# Altium PCB LimeSDR-X3_1v2.PcbDoc (part 20 of 25)
Units mm, origin at the board's own origin, x right, y up, seen from the top; angles counter-clockwise.
Board outline 232.5 x 111.15 mm, 12 copper layers (Top, L2, L3, L4, L5, L6, L7, L8, L9, L10, L11, Bottom), stack 1.596 mm thick; 2084 components, 1388 nets, 8919 pads, 3667 vias.
Unrouted connection lines stored in the file: 1.
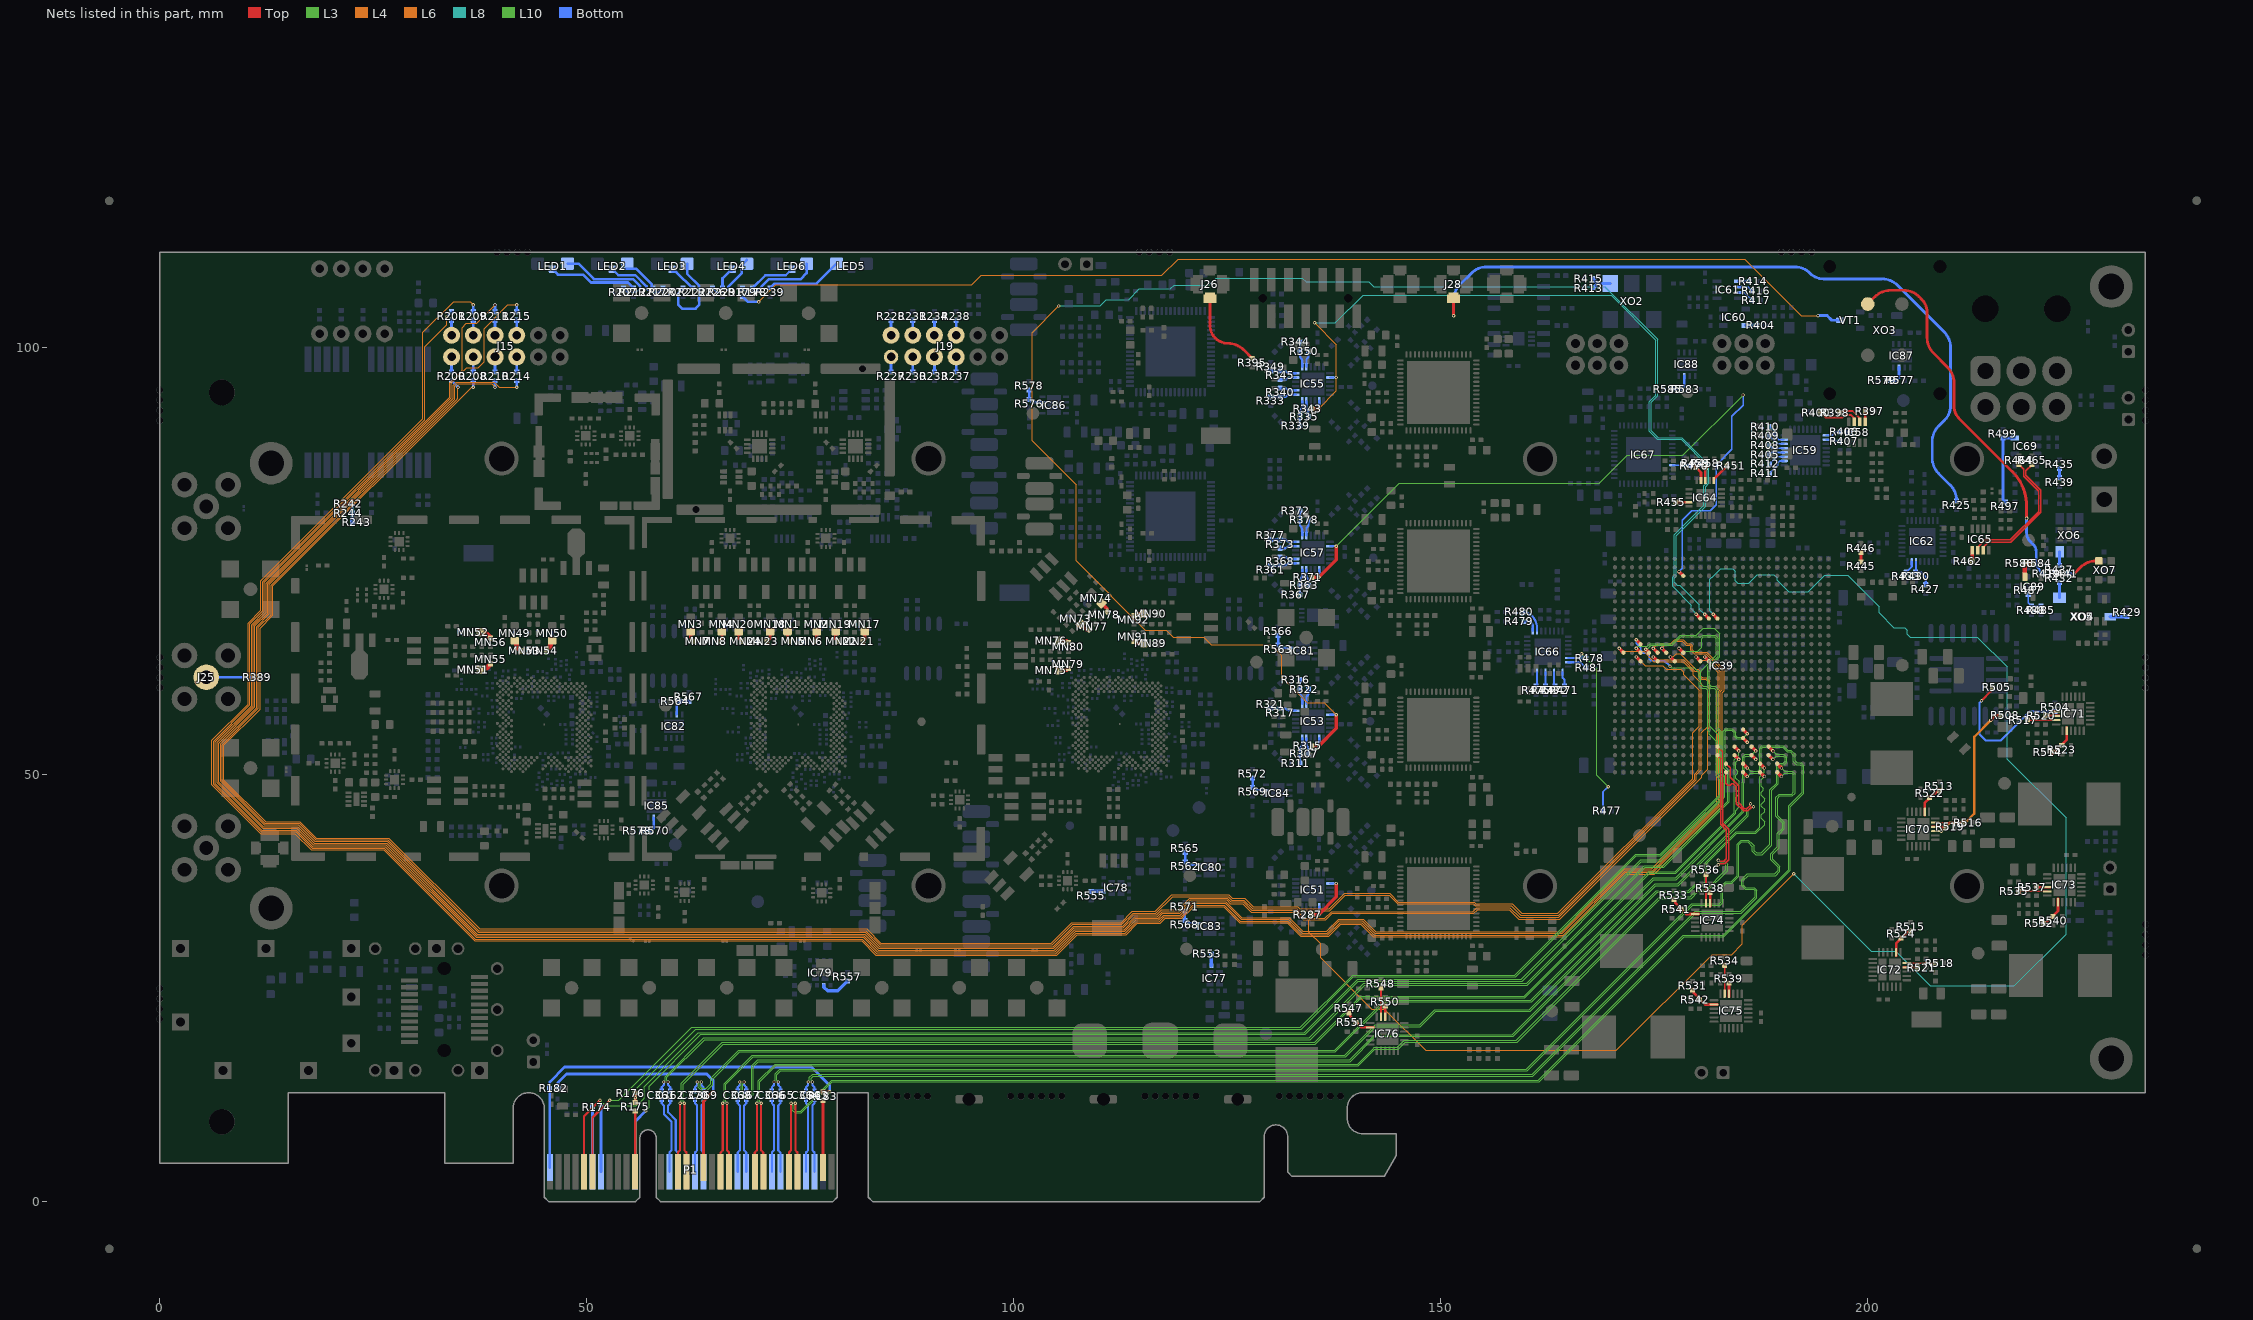
[diagram p30: the nets of this part, all layers, seen from the top]

## Via types
v1: diameter 0.4, hole 0.2, Top to Bottom, tented both sides, 3084 vias
v2: diameter 0.35, hole 0.2, Top to Bottom, tented both sides, 272 vias
v3: diameter 0.5, hole 0.2, Top to Bottom, tented bottom, 196 vias
v4: diameter 0.5, hole 0.2, Top to Bottom, tented both sides, 102 vias
v5: diameter 0.8, hole 0.4, Top to Bottom, tented both sides, 12 vias
v6: diameter 0.6, hole 0.3, Top to Bottom, tented both sides, 1 vias

## Nets (pads, with @x,y where several pads share a name; then routed paths per layer and width w, separated by ;. In a path a pad name is that pad's centre, name@x,y a point inside that pad or via, vN(x,y) a via of type N, cw(c..) or ccw(c..) an arc to the next point about the centre after c; other vN are vias at no path point) (continued)
NetIC53_6: IC53.6 R317.2 R321.1 | length 3
  Bottom w0.254: R321.1@130.075,57.75 R317.2@131.175,57.75 131.709,57.75 cw(c131.709,57.409) 131.95,57.65 ccw(c132.312,58.012) 132.312,57.5 IC53.6@133,57.5
NetIC53_7: IC53.7 R316.1 R322.2 | length 3
  Bottom w0.254: R322.2@133.5,60 R316.1@133.5,61.1 ; R322.2@133.5,60.075 133.5,59.552 ccw(c133.927,59.552) 133.625,59.25 cw(c133.323,58.948) 133.75,58.948 IC53.7@133.75,58.25
NetIC53_8: IC53.8 R322.1 | length 1.9
  Bottom w0.254: IC53.8@134.25,58.25 134.25,58.938 cw(c134.762,58.938) 134.4,59.3 ccw(c134.159,59.541) 134.5,59.541 R322.1@134.5,60.075
NetIC53_23: IC53.23 R307.1 | length 1.9
  Bottom w0.254: IC53.23@134.25,54.25 134.25,53.562 ccw(c134.762,53.562) 134.4,53.2 cw(c134.159,52.959) 134.5,52.959 R307.1@134.5,52.425
NetIC53_24: IC53.24 R307.2 R311.1 | length 3
  Bottom w0.254: R311.1@133.5,51.325 R307.2@133.5,52.425 133.5,52.948 cw(c133.927,52.948) 133.625,53.25 ccw(c133.323,53.552) 133.75,53.552 IC53.24@133.75,54.25
NetIC55_1: IC55.1 R333.1 R340.2 | length 3
  Bottom w0.254: R333.1@130.075,94.25 R340.2@131.175,94.25 131.709,94.25 ccw(c131.709,94.591) 131.95,94.35 cw(c132.312,93.988) 132.312,94.5 IC55.1@133,94.5
NetIC55_2: IC55.2 R340.1 | length 1.9
  Bottom w0.254: R340.1@131.175,95.25 131.698,95.25 cw(c131.698,94.823) 132,95.125 ccw(c132.302,95.427) 132.302,95 IC55.2@133,95
NetIC55_5: IC55.5 R345.1 | length 1.9
  Bottom w0.254: R345.1@131.175,96.25 131.698,96.25 ccw(c131.698,96.677) 132,96.375 cw(c132.302,96.073) 132.302,96.5 IC55.5@133,96.5
NetIC55_6: IC55.6 R345.2 R349.1 | length 3
  Bottom w0.254: R349.1@130.075,97.25 R345.2@131.175,97.25 131.709,97.25 cw(c131.709,96.909) 131.95,97.15 ccw(c132.312,97.512) 132.312,97 IC55.6@133,97
NetIC55_7: IC55.7 R344.1 R350.2 | length 3
  Bottom w0.254: R344.1@133.5,100.675 R350.2@133.5,99.575 133.5,99.052 ccw(c133.927,99.052) 133.625,98.75 cw(c133.323,98.448) 133.75,98.448 IC55.7@133.75,97.75
NetIC55_8: IC55.8 R350.1 | length 1.9
  Bottom w0.254: IC55.8@134.25,97.75 134.25,98.438 cw(c134.762,98.438) 134.4,98.8 ccw(c134.159,99.041) 134.5,99.041 R350.1@134.5,99.575
NetIC55_23: IC55.23 R335.1 | length 1.9
  Bottom w0.254: IC55.23@134.25,93.75 134.25,93.062 ccw(c134.762,93.062) 134.4,92.7 cw(c134.159,92.459) 134.5,92.459 R335.1@134.5,91.925
NetIC55_24: IC55.24 R335.2 R339.1 | length 3
  Bottom w0.254: R339.1@133.5,90.825 R335.2@133.5,91.925 133.5,92.448 cw(c133.927,92.448) 133.625,92.75 ccw(c133.323,93.052) 133.75,93.052 IC55.24@133.75,93.75
NetIC57_1: IC57.1 R361.1 R368.2 | length 3
  Bottom w0.254: R361.1@130.075,74.5 R368.2@131.175,74.5 131.709,74.5 ccw(c131.709,74.841) 131.95,74.6 cw(c132.312,74.238) 132.312,74.75 IC57.1@133,74.75
NetIC57_2: IC57.2 R368.1 | length 1.9
  Bottom w0.254: R368.1@131.175,75.5 131.698,75.5 cw(c131.698,75.073) 132,75.375 ccw(c132.302,75.677) 132.302,75.25 IC57.2@133,75.25
NetIC57_5: IC57.5 R373.1 | length 1.9
  Bottom w0.254: R373.1@131.175,76.5 131.698,76.5 ccw(c131.698,76.927) 132,76.625 cw(c132.302,76.323) 132.302,76.75 IC57.5@133,76.75
NetIC57_6: IC57.6 R373.2 R377.1 | length 3
  Bottom w0.254: R377.1@130.075,77.5 R373.2@131.175,77.5 131.709,77.5 cw(c131.709,77.159) 131.95,77.4 ccw(c132.312,77.762) 132.312,77.25 IC57.6@133,77.25
NetIC57_7: IC57.7 R372.1 R378.2 | length 3
  Bottom w0.254: R372.1@133.5,80.925 R378.2@133.5,79.825 133.5,79.302 ccw(c133.927,79.302) 133.625,79 cw(c133.323,78.698) 133.75,78.698 IC57.7@133.75,78
NetIC57_8: IC57.8 R378.1 | length 1.9
  Bottom w0.254: IC57.8@134.25,78 134.25,78.688 cw(c134.762,78.688) 134.4,79.05 ccw(c134.159,79.291) 134.5,79.291 R378.1@134.5,79.825
NetIC57_23: IC57.23 R363.1 | length 1.9
  Bottom w0.254: IC57.23@134.25,74 134.25,73.312 ccw(c134.762,73.312) 134.4,72.95 cw(c134.159,72.709) 134.5,72.709 R363.1@134.5,72.175
NetIC57_24: IC57.24 R363.2 R367.1 | length 3
  Bottom w0.254: R367.1@133.5,71.075 R363.2@133.5,72.175 133.5,72.698 cw(c133.927,72.698) 133.625,73 ccw(c133.323,73.302) 133.75,73.302 IC57.24@133.75,74
NetIC58_5: IC58.5 R397.1 | length 1.2
  Top w0.3: IC58.5@199.7,91.339 R397.1@199.7,92.568
NetIC58_6: IC58.6 R398.1 | length 3.2
  Top w0.2: R398.1@196.7,92.375 196.9,92.575 198.2,92.575 199.05,91.725 IC58.6@199.05,91.339
NetIC58_7: IC58.7 R400.1 | length 4.8
  Top w0.2: R400.1@194.45,92.375 195,91.825 197.05,91.825 197.325,92.1 198.025,92.1 198.378,91.747 198.378,91.361 IC58.7@198.4,91.339
NetIC59_10: IC59.10 R411.2 | length 2.5
  Bottom w0.2: R411.2@188.475,85.275 189.4,86.2 189.4,86.45 189.669,86.719 190.194,86.719 IC59.10@190.2,86.725
NetIC59_11: IC59.11 R412.1 | length 2.1
  Bottom w0.2: R412.1@188.475,86.375 189.325,87.225 IC59.11@190.2,87.225
NetIC59_12: IC59.12 R405.1 | length 1.8
  Bottom w0.2: R405.1@188.475,87.45 188.75,87.725 IC59.12@190.2,87.725
NetIC59_13: IC59.13 R408.1 | length 1.9
  Bottom w0.2: R408.1@188.475,88.55 188.8,88.225 IC59.13@190.2,88.225
NetIC59_14: IC59.14 R409.1 | length 2.1
  Bottom w0.2: R409.1@188.475,89.65 189.4,88.725 IC59.14@190.2,88.725
NetIC59_15: IC59.15 R410.2 | length 2.6
  Bottom w0.2: R410.2@188.475,90.75 189.05,90.175 189.05,89.75 189.575,89.225 IC59.15@190.2,89.225
NetIC59_25: IC59.25 R406.1 | length 1.8
  Bottom w0.2: IC59.25@195.1,89.725 195.8,89.725 196.2,90.125 R406.1@196.75,90.125
NetIC59_26: IC59.26 R407.1 | length 1.7
  Bottom w0.2: IC59.26@195.1,89.225 196,89.225 196.2,89.025 R407.1@196.75,89.025
NetIC60_5: IC60.5 R404.2 | length 1.3
  Bottom w0.4: IC60.5@185.666,102.6 R404.2@186.975,102.6
NetIC61_5: IC61.5 R414.1 | length 1.2
  Bottom w0.3: IC61.5@184.825,107.75 R414.1@186.054,107.75
NetIC61_6: IC61.6 R416.1 | length 1.8
  Bottom w0.2: IC61.6@184.825,107.1 185.975,107.1 R416.1@186.425,106.65
NetIC61_7: IC61.7 R417.1 | length 2
  Bottom w0.2: IC61.7@184.825,106.45 185.525,106.45 R417.1@186.425,105.55
NetIC62_30: IC62.30 R427.2 R430.1 | length 3.6
  Bottom w0.25: IC62.30@205.625,74.95 205.625,73.75 R430.1@205.575,73.7 206.225,73.7 206.775,73.15 R427.2@206.775,72.225
NetIC62_31: IC62.31 R433.2 | length 1.5
  Bottom w0.25: R433.2@204.475,73.7 205.125,74.35 IC62.31@205.125,74.95
NetIC64_11: IC64.11 R451.1 | length 2.3
  Top w0.3: IC64.11@181.95,84.45 181.95,84.604 R451.1@183.486,86.14
NetIC64_13: IC64.13 R458.2 | length 1.5
  Top w0.3: IC64.13@180.95,84.45 R458.2@180.95,85.95
NetIC64_14: IC64.14 R459.2 | length 1.7
  Top w0.3: R459.2@179.85,85.95 180.45,85.35 IC64.14@180.45,84.45
NetIC64_19: IC64.19 R455.1 | length 1.6
  Top w0.3: R455.1@177.486,81.915 177.501,81.9 IC64.19@179.05,81.9
NetIC65_5: IC65.5 R462.1 | length 1.3
  Top w0.4: R462.1@212.199,74.976 IC65.5@212.2,76.29
NetIC65_6: IC65.6 R464.1 | length 15.6
  Top w0.15: IC65.6@212.85,76.29 212.85,76.625 213.7,77.475 216.646,77.475 219.975,80.804 219.975,83.2 218.25,84.925 218.25,85.75 R464.1@217.7,86.3
NetIC65_7: IC65.7 R465.1 | length 15.4
  Top w0.15: IC65.7@213.5,76.29 213.5,76.625 214.1,77.225 216.75,77.225 220.225,80.7 220.225,83.304 218.5,85.029 218.5,85.585 R465.1@219.225,86.31
NetIC66_1: IC66.1 R471.2 | length 1.7
  Bottom w0.25: IC66.1@164.25,62 164.25,61.329 164.45,61.129 R471.2@164.45,60.376
NetIC66_3: IC66.3 R472.2 | length 1.7
  Bottom w0.25: IC66.3@163.25,62 163.25,60.476 R472.2@163.35,60.376
NetIC66_5: IC66.5 R473.2 | length 1.6
  Bottom w0.25: R473.2@162.25,60.376 IC66.5@162.25,62
NetIC66_7: IC66.7 R475.2 | length 1.7
  Bottom w0.25: R475.2@161.15,60.376 161.25,60.476 IC66.7@161.25,62
NetIC66_17: IC66.17 R479.2 | length 2
  Bottom w0.25: R479.2@159.689,67.943 160.224,67.943 cw(c160.224,67.417) 160.75,67.417 IC66.17@160.75,66.8
NetIC66_18: IC66.18 R480.2 | length 3
  Bottom w0.25: R480.2@159.689,69.043 cw(c159.689,67.842) 160.538,68.691 160.689,68.54 cw(c159.335,67.186) 161.25,67.186 IC66.18@161.25,66.8
NetIC66_30: IC66.30 R477.2 R478.1 | length 22.7
  L10 w0.1: v1(166.475,64.15) 168.225,62.4 168.225,49.925 v1(169.575,48.575)
  Bottom w0.2: R477.2@168.975,45.75 168.975,47.975 v1(169.575,48.575)
  Bottom w0.25: IC66.30@164.9,63.65 R478.1@166.775,63.65 ; v1(166.475,64.15) 166.475,63.775 166.775,63.775 R478.1@166.95,63.6
NetIC66_31: IC66.31 R481.2 | length 2.3
  Bottom w0.25: IC66.31@164.9,63.15 166.3,63.15 R481.2@166.95,62.5
NetIC67_9: IC67.9 R470.1 | length 2.1
  Bottom w0.2: IC67.9@177.1,86.225 R470.1@179.15,86.225
NetIC69_5: IC69.5 R497.1 R499.2 | length 9
  Bottom w0.325: R497.1@216.1,81.925 215.8,82.225 R499.2@215.8,89.425 IC69.5@217.2,89.425
NetIC70_2: IC70.2 R513.2 R522.2 | length 4.7
  Top w0.309: IC70.2@206.65,45.225 IC70.2@206.65,45.625 ; R522.2@207.298,47.323 206.65,46.675 206.65,46.45 ; R522.2@207.325,47.3 207.361,47.336 207.398,47.373 208.007,47.982 208.232,47.982 R513.2@208.366,48.116 ; R522.2@207.373,47.398 R522.2@207.445,47.471 ; IC70.2@206.65,45.625 206.65,46.45 ; IC70.2@206.65,45.625 206.65,46.45
NetIC70_22: IC70.22 R519.1 | length 1.6
  Top w0.309: IC70.22@207.55,43.875 IC70.22@207.9,43.875 R519.1@209.15,43.875
NetIC70_23: IC70.23 R516.1 | length 3.4
  Top w0.2: IC70.23@207.9,44.375 R516.1@211.25,44.375
NetIC71_2: IC71.2 R514.2 R523.2 | length 4.7
  Top w0.309: R514.2@221.559,52.634 221.693,52.768 221.918,52.768 222.527,53.377 222.564,53.414 R523.2@222.6,53.45 ; R523.2@222.479,53.279 R523.2@222.552,53.352 ; R523.2@222.627,53.427 223.275,54.075 223.275,54.3 ; IC71.2@223.275,55.525 IC71.2@223.275,55.125 ; 223.275,54.3 IC71.2@223.275,55.125 ; 223.275,54.3 IC71.2@223.275,55.125
NetIC71_22: IC71.22 R520.1 | length 1.6
  Top w0.309: R520.1@220.775,56.875 IC71.22@222.025,56.875 IC71.22@222.375,56.875
NetIC71_23: IC71.23 R517.1 | length 3.4
  Top w0.2: R517.1@218.675,56.375 IC71.23@222.025,56.375
NetIC72_2: IC72.2 R515.2 R524.1 | length 4.7
  Top w0.309: IC72.2@203.3,28.775 IC72.2@203.3,29.175 ; R524.1@203.948,30.873 203.3,30.225 203.3,30 ; R524.1@203.975,30.85 204.011,30.886 204.048,30.923 204.657,31.532 204.882,31.532 R515.2@205.016,31.666 ; R524.1@204.023,30.948 R524.1@204.096,31.021 ; IC72.2@203.3,29.175 203.3,30 ; IC72.2@203.3,29.175 203.3,30
NetIC72_22: IC72.22 R521.1 | length 1.6
  Top w0.309: IC72.22@204.2,27.425 IC72.22@204.55,27.425 R521.1@205.8,27.425
NetIC72_23: IC72.23 R518.1 | length 3.4
  Top w0.2: IC72.23@204.55,27.925 R518.1@207.9,27.925
NetIC73_2: IC73.2 R532.1 R540.1 | length 4.7
  Top w0.309: R532.1@220.534,32.584 220.668,32.718 220.893,32.718 221.502,33.327 221.539,33.364 R540.1@221.575,33.4 ; R540.1@221.455,33.229 R540.1@221.527,33.302 ; R540.1@221.602,33.377 222.25,34.025 222.25,34.25 ; IC73.2@222.25,35.475 IC73.2@222.25,35.075 ; 222.25,34.25 IC73.2@222.25,35.075 ; 222.25,34.25 IC73.2@222.25,35.075
NetIC73_22: IC73.22 R537.1 | length 1.6
  Top w0.309: R537.1@219.75,36.825 IC73.22@221,36.825 IC73.22@221.35,36.825
NetIC73_23: IC73.23 R535.1 | length 3.4
  Top w0.2: R535.1@217.65,36.325 IC73.23@221,36.325
NetIC74_2: IC74.2 R533.1 R541.2 | length 4.7
  Top w0.309: R533.1@177.285,35.395 177.419,35.261 177.419,35.036 178.028,34.427 178.065,34.391 R541.2@178.101,34.355 ; R541.2@177.931,34.475 R541.2@178.003,34.402 ; R541.2@178.078,34.327 178.726,33.68 178.951,33.68 ; IC74.2@180.176,33.679 IC74.2@179.776,33.68 ; 178.951,33.68 IC74.2@179.776,33.68 ; 178.951,33.68 IC74.2@179.776,33.68
NetIC74_22: IC74.22 R538.1 | length 1.6
  Top w0.309: IC74.22@181.526,34.58 IC74.22@181.526,34.93 R538.1@181.526,36.18
NetIC74_23: IC74.23 R536.1 | length 3.4
  Top w0.2: IC74.23@181.026,34.93 R536.1@181.026,38.28
NetIC75_2: IC75.2 R531.2 R542.2 | length 4.7
  Top w0.309: R531.2@179.484,24.791 179.618,24.657 179.618,24.432 180.227,23.823 180.264,23.786 R542.2@180.3,23.75 ; R542.2@180.129,23.871 R542.2@180.202,23.798 ; R542.2@180.277,23.723 180.925,23.075 181.15,23.075 ; IC75.2@182.375,23.075 IC75.2@181.975,23.075 ; 181.15,23.075 IC75.2@181.975,23.075 ; 181.15,23.075 IC75.2@181.975,23.075
NetIC75_22: IC75.22 R539.1 | length 1.6
  Top w0.309: IC75.22@183.725,23.975 IC75.22@183.725,24.325 R539.1@183.725,25.575
NetIC75_23: IC75.23 R534.1 | length 3.4
  Top w0.2: IC75.23@183.225,24.325 R534.1@183.225,27.675
NetIC76_2: IC76.2 R547.1 R551.2 | length 4.7
  Top w0.309: R547.1@139.234,22.116 139.368,21.982 139.368,21.757 139.977,21.148 140.014,21.111 R551.2@140.05,21.075 ; R551.2@139.88,21.195 R551.2@139.952,21.123 ; R551.2@140.027,21.048 140.675,20.4 140.9,20.4 ; IC76.2@142.125,20.4 IC76.2@141.725,20.4 ; 140.9,20.4 IC76.2@141.725,20.4 ; 140.9,20.4 IC76.2@141.725,20.4
NetIC76_22: IC76.22 R550.1 | length 1.6
  Top w0.309: IC76.22@143.475,21.3 IC76.22@143.475,21.65 R550.1@143.475,22.9
NetIC76_23: IC76.23 R548.1 | length 3.4
  Top w0.2: IC76.23@142.975,21.65 R548.1@142.975,25
NetIC77_2: IC77.2 R553.2 | length 1.4
  Bottom w0.4: IC77.2@123.125,27.625 R553.2@123.125,29
NetIC78_2: IC78.2 R555.2 | length 1.5
  Bottom w0.4: R555.2@109.05,36.325 IC78.2@110.525,36.325
NetIC79_2: IC79.2 R557.2 | length 3.6
  Bottom w0.4: IC79.2@77.725,25.325 77.75,25.3 77.75,25.1 78.175,24.675 79.35,24.675 R557.2@80.5,25.825
NetIC80_3: IC80.3 R562.2 R565.2 | length 2.8
  Bottom w0.3: R565.2@120.055,40.886 R562.2@120.055,39.786 120.391,39.45 IC80.3@121.6,39.45
NetIC81_3: IC81.3 R563.2 R566.2 | length 2.8
  Bottom w0.3: R566.2@130.925,66.275 R563.2@130.925,65.175 131.261,64.839 IC81.3@132.47,64.839
NetIC82_3: IC82.3 R564.2 R567.2 | length 2.8
  Bottom w0.3: IC82.3@60.505,57.042 60.505,58.251 R564.2@60.841,58.587 R567.2@61.941,58.587
NetIC83_3: IC83.3 R568.1 R571.2 | length 2.8
  Bottom w0.3: R571.2@120.021,34.011 R568.1@120.021,32.911 120.357,32.575 IC83.3@121.566,32.575
NetIC84_3: IC84.3 R569.1 R572.2 | length 2.8
  Bottom w0.3: R572.2@127.955,49.586 R569.1@127.955,48.486 128.291,48.15 IC84.3@129.5,48.15
NetIC85_3: IC85.3 R570.1 R573.2 | length 2.8
  Bottom w0.3: R573.2@56.389,43.405 R570.1@57.489,43.405 57.825,43.741 IC85.3@57.825,44.95
NetIC86_3: IC86.3 R576.1 R578.1 | length 2.8
  Bottom w0.3: R578.1@101.775,95.037 R576.1@101.775,93.937 102.111,93.601 IC86.3@103.32,93.601
NetIC87_3: IC87.3 R577.1 R579.1 | length 2.8
  Bottom w0.3: R579.1@202.2,96.15 R577.1@203.3,96.15 203.636,96.486 IC87.3@203.636,97.695
NetIC88_3: IC88.3 R583.1 R585.1 | length 2.8
  Bottom w0.3: R585.1@177.05,95.15 R583.1@178.15,95.15 178.486,95.486 IC88.3@178.486,96.695
NetIC89_2: IC89.2 R584.2 R586.1 | length 2.6
  Top w0.5: IC89.2@218.375,73.15 218.375,74.675 218.45,74.75 R584.2@219.375,74.75
NetJ15_1: J15.1 R200.2 | length 1.8
  Bottom w0.325: R200.2@34.146,97.15 J15.1@34.146,98.904
NetJ15_2: J15.2 R208.2 | length 1.8
  Bottom w0.325: R208.2@36.689,97.15 J15.2@36.689,98.904
NetJ15_3: J15.3 R210.2 | length 1.8
  Bottom w0.325: R210.2@39.232,97.15 J15.3@39.232,98.904
NetJ15_4: J15.4 R214.2 | length 1.8
  Bottom w0.325: R214.2@41.775,97.15 J15.4@41.775,98.904
NetJ15_7: J15.7 R201.1 | length 1.8
  Bottom w0.325: J15.7@34.146,101.446 R201.1@34.146,103.2
NetJ15_8: J15.8 R209.1 | length 1.8
  Bottom w0.325: J15.8@36.689,101.446 R209.1@36.689,103.2
NetJ15_9: J15.9 R211.1 | length 1.8
  Bottom w0.325: J15.9@39.232,101.446 R211.1@39.232,103.2
NetJ15_10: J15.10 R215.1 | length 1.8
  Bottom w0.325: J15.10@41.775,101.446 R215.1@41.775,103.2
NetJ19_1: J19.1 R227.2 | length 1.8
  Bottom w0.325: R227.2@85.606,97.15 J19.1@85.606,98.904
NetJ19_2: J19.2 R230.2 | length 1.8
  Bottom w0.325: R230.2@88.149,97.15 J19.2@88.149,98.904
NetJ19_3: J19.3 R233.2 | length 1.8
  Bottom w0.325: R233.2@90.691,97.15 J19.3@90.691,98.904
NetJ19_4: J19.4 R237.2 | length 1.8
  Bottom w0.325: R237.2@93.234,97.15 J19.4@93.234,98.904
NetJ19_7: J19.7 R228.1 | length 1.8
  Bottom w0.325: J19.7@85.606,101.446 R228.1@85.606,103.2
NetJ19_8: J19.8 R231.1 | length 1.8
  Bottom w0.325: J19.8@88.149,101.446 R231.1@88.149,103.2
NetJ19_9: J19.9 R234.1 | length 1.8
  Bottom w0.325: J19.9@90.691,101.446 R234.1@90.691,103.2
NetJ19_10: J19.10 R238.1 | length 1.8
  Bottom w0.325: J19.10@93.234,101.446 R238.1@93.234,103.2
NetJ25_1: J25.1 R389.1 | length 5.4
  Bottom w0.325: J25.1@5.425,61.4 R389.1@10.875,61.4
NetJ26_1: J26.1 R395.1 | length 9.9
  Top w0.325: J26.1@122.95,105.725 122.95,102.623 ccw(c125.073,102.623) 125.073,100.5 cw(c125.073,97.96) 126.869,99.756 R395.1@127.9,98.725
NetJ28_1: J28.1 R425.1 | length 87.9
  Top w0.325: J28.1@151.458,105.825 cw(c151.418,105.785) 151.475,105.785 v1(151.475,103.725)
  Bottom w0.325: v1(151.475,103.725) 151.475,105.573 cw(c154.015,105.573) 152.219,107.369 153.556,108.706 cw(c155.352,106.91) 155.352,109.45 191.423,109.45 cw(c191.423,106.91) 193.219,108.706 ccw(c194.803,110.29) 193.22,108.705 ccw(c194.803,110.29) 194.803,108.05 201.648,108.05 cw(c201.648,105.51) 203.444,107.306 208.931,101.819 cw(c207.135,100.023) 209.675,100.023 209.675,93.19 cw(c207.285,93.19) 208.975,91.5 208.269,90.794 ccw(c210.065,88.998) 207.525,88.998 207.525,87.077 ccw(c210.065,87.077) 208.269,85.281 209.631,83.919 cw(c207.835,82.123) 210.375,82.123 R425.1@210.375,82.05
NetLED1_1: LED1.1 R207.1 | length 12.2
  Bottom w0.2: R207.1@54.267,106.975 54.767,106.475 55.788,106.475 56.209,106.896 56.209,107.191
  Bottom w0.3: LED1.1@47.725,109.825 49,109.825 50.8,108.025 55.375,108.025 56.209,107.191
NetLED1_2: LED1.2 R212.1 | length 10.4
  Bottom w0.3: LED1.2@45.975,109.175 46.6,108.55 49.55,108.55 50.475,107.625 54.788,107.625 R212.1@55.438,106.975
NetLED2_1: LED2.1 R217.1 | length 4.3
  Bottom w0.3: LED2.1@54.525,109.225 55.775,109.225 57.596,107.404 57.596,107.125 R217.1@57.746,106.975
NetLED2_2: LED2.2 R220.1 | length 7.4
  Bottom w0.2: 56.975,107.175 56.975,106.896 57.396,106.475 58.417,106.475 R220.1@58.917,106.975
  Bottom w0.3: LED2.2@52.975,109.175 53.675,108.475 55.675,108.475 56.975,107.175
NetLED3_1: LED3.1 R221.1 | length 10.4
  Bottom w0.3: R221.1@61.225,106.975 60.675,106.425 60.675,105.039 61.139,104.575 62.717,104.575 63.167,105.025 63.167,107.208 61.725,108.65 LED3.1@61.725,109.825
NetLED3_2: LED3.2 R222.1 | length 3.3
  Bottom w0.3: LED3.2@59.975,108.875 60.425,108.875 62.396,106.904 R222.1@62.396,106.975
NetLED4_1: LED4.1 R226.1 | length 6.6
  Bottom w0.2: R226.1@64.704,106.975 65.204,106.475 66.217,106.475 66.55,106.808 66.55,107.15
  Bottom w0.3: 66.55,107.15 68.15,108.75 68.15,109.7 LED4.1@68.725,110.275
NetLED4_2: LED4.2 R229.1 | length 2.6
  Bottom w0.3: R229.1@65.874,106.975 65.874,108.099 66.75,108.975 LED4.2@66.975,108.975
NetLED5_3: LED5.3 R239.2 | length 9
  Bottom w0.3: R239.2@71.446,106.975 71.971,107.5 76.9,107.5 LED5.3@79.225,109.825
NetLED6_1: LED6.1 R179.2 | length 9.7
  Bottom w0.2: R179.2@68.233,106.975 68.733,106.475 69.753,106.475 70.475,107.197
  Bottom w0.3: 70.475,107.197 71.278,108 75,108 75.725,108.725 LED6.1@75.725,109.825
NetLED6_2: LED6.2 R178.2 | length 5.5
  Bottom w0.3: R178.2@69.403,106.975 70.903,108.475 73.275,108.475 LED6.2@73.975,109.175
NetMN1_1: MN1.1 MN5.2 | length 1.2
  Top w0.4: MN1.1@73.484,66.761 73.484,65.837 MN5.2@73.7,65.621
NetMN2_1: MN2.1 MN6.2 | length 1.2
  Top w0.4: MN6.2@76.7,65.621 76.916,65.837 MN2.1@76.916,66.761
NetMN3_1: MN3.1 MN7.2 | length 1.3
  Top w0.4: MN3.1@62.13,66.737 62.13,65.961 MN7.2@62.47,65.621
NetMN4_1: MN4.1 MN8.2 | length 1.3
  Top w0.4: MN8.2@65.47,65.621 65.81,65.961 MN4.1@65.81,66.737
NetMN17_1: MN17.1 MN21.2 | length 1.2
  Top w0.4: MN21.2@82.326,65.621 82.542,65.837 MN17.1@82.542,66.761
NetMN18_1: MN18.1 MN23.2 | length 1.3
  Top w0.4: MN23.2@71.1,65.621 71.44,65.961 MN18.1@71.44,66.737
NetMN19_1: MN19.1 MN22.2 | length 1.2
  Top w0.4: MN19.1@79.11,66.761 79.11,65.837 MN22.2@79.326,65.621
NetMN20_1: MN20.1 MN24.2 | length 1.3
  Top w0.4: MN20.1@67.76,66.737 67.76,65.961 MN24.2@68.1,65.621
NetMN49_1: MN49.1 MN53.2 | length 1.5
  Top w0.6: MN49.1@41.541,65.692 41.741,65.492 41.741,65.007 MN53.2@42.241,64.507
NetMN50_1: MN50.1 MN54.2 | length 1.5
  Top w0.6: MN54.2@45.241,64.507 45.741,65.007 45.741,65.492 MN50.1@45.941,65.692
NetMN51_1: MN51.1 MN55.2 | length 1.5
  Top w0.6: MN51.1@37.54,62.282 37.74,62.482 38.225,62.482 MN55.2@38.725,62.982
NetMN52_1: MN52.1 MN56.2 | length 1.5
  Top w0.6: MN52.1@37.54,66.682 37.74,66.482 38.225,66.482 MN56.2@38.725,65.982
NetMN73_1: MN73.1 MN77.2 | length 1.2
  Top w0.4: MN73.1@107.836,67.62 108.489,66.967 MN77.2@108.795,66.967
NetMN74_1: MN74.1 MN78.2 | length 1.2
  Top w0.4: MN74.1@110.262,70.047 110.916,69.394 MN78.2@110.916,69.088
NetMN75_1: MN75.1 MN79.2 | length 1.2
  Top w0.4: MN75.1@105.24,62.227 106.164,62.227 MN79.2@106.38,62.443
NetMN76_1: MN76.1 MN80.2 | length 1.2
  Top w0.4: MN76.1@105.24,65.659 106.164,65.659 MN80.2@106.38,65.443
NetMN89_1: MN89.1 MN91.2 | length 1.2
  Top w0.4: MN91.2@114.043,65.62 114.258,65.404 MN89.1@115.183,65.404
NetMN90_1: MN90.1 MN92.2 | length 1.2
  Top w0.4: MN92.2@114.043,68.62 114.258,68.836 MN90.1@115.183,68.836
NetP1_A6: P1.A6 R174.2 | length 7.6